# KiCad board bldc_controller.kicad_pcb (continued)
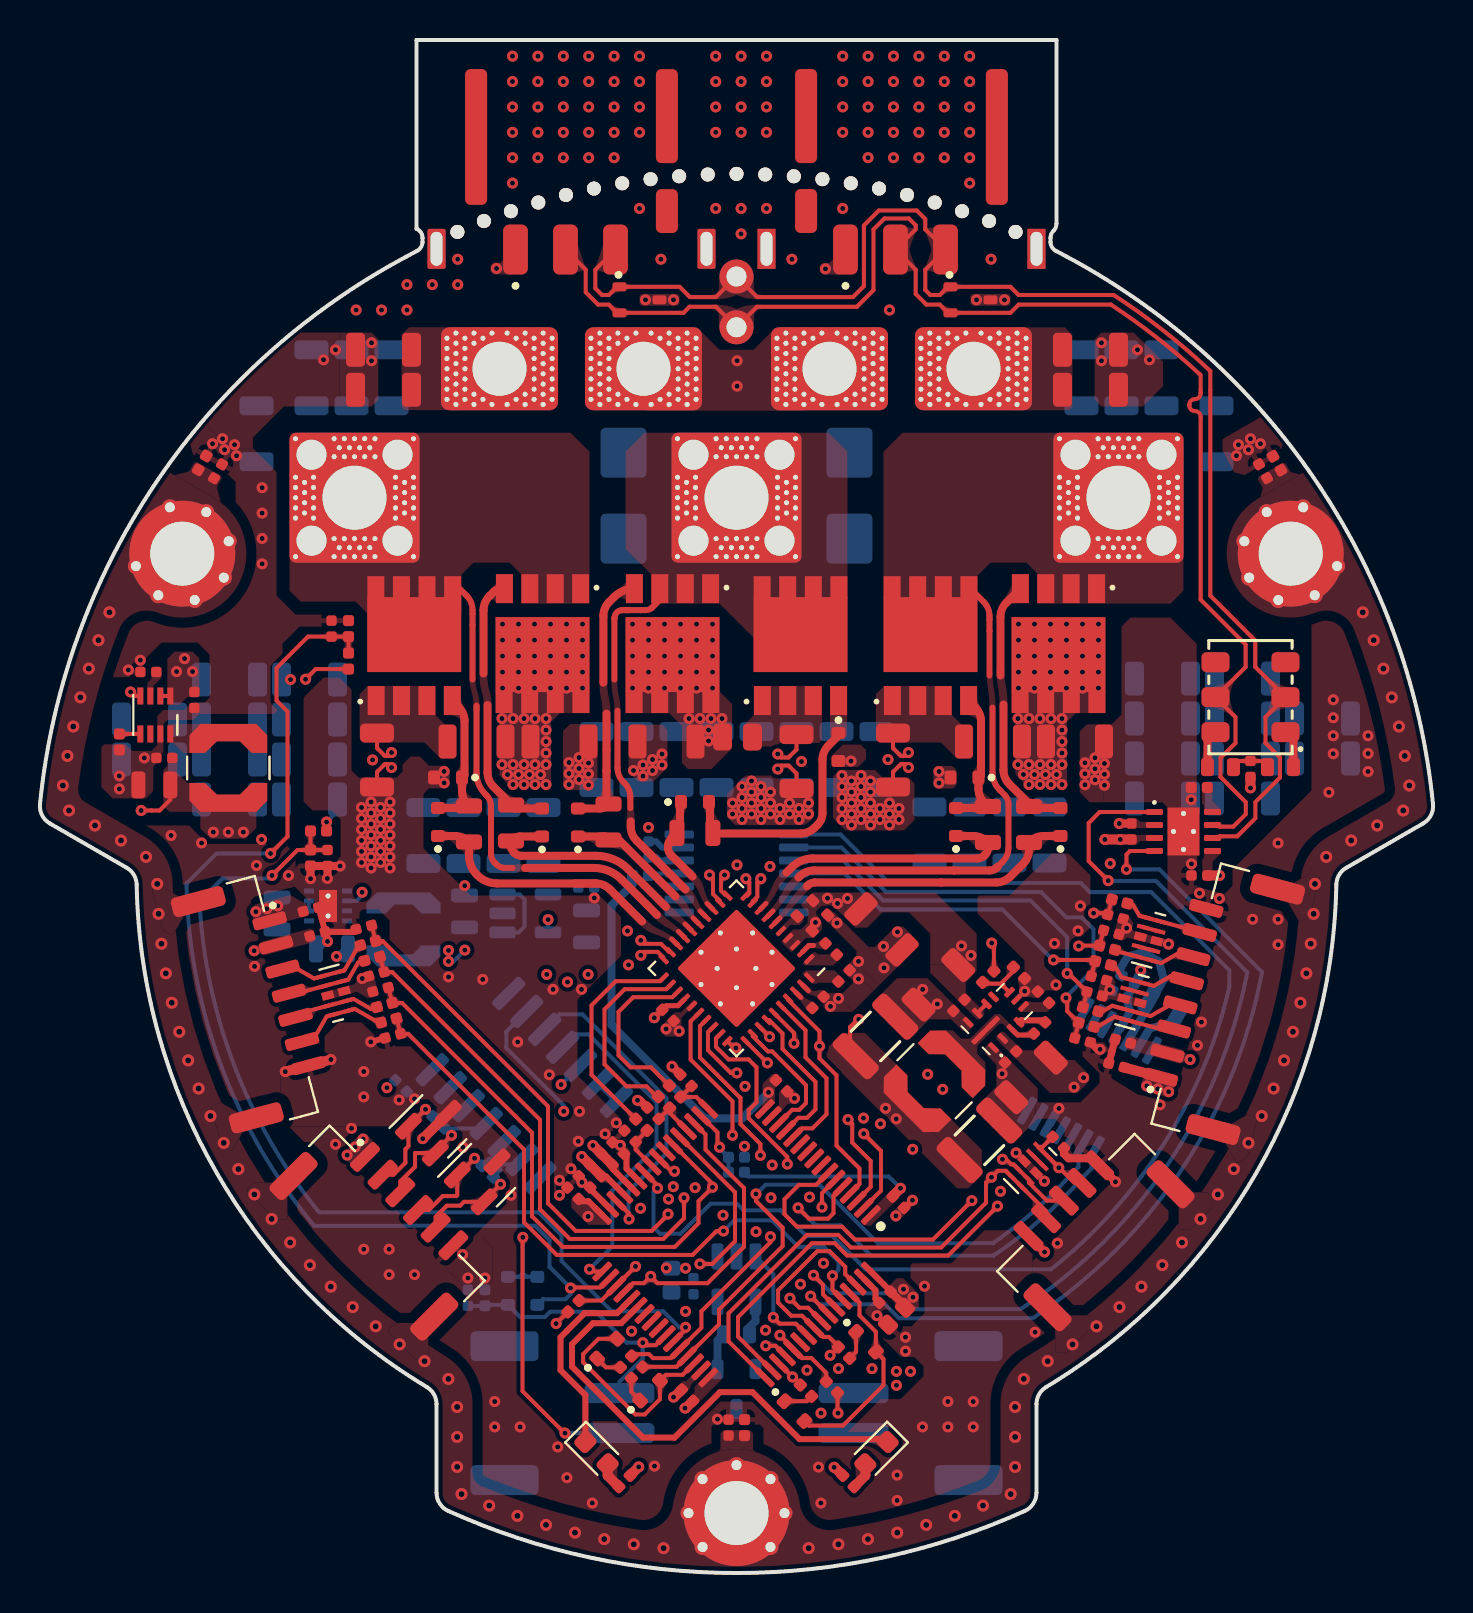
[diagram p0: board, top side]
## Library data of the parts (continued)
U10 = -: Description: Magnetic position sensor, 14-bit, PWM output, I2C Interface, TSSOP-14
U11 = -: Description: Full-Duplex RS-485 Drivers and Receivers, DFN-10
U12 = -: Description: 1/1 Transceiver Half CANbus 8-SOIC
U13 = -: Description: 1.9A HIGH SPEED SINGLE GATE DRIVER

## Footprints (pads in the part's own frame, mm; a bottom-side part is the same pattern mirrored in y, then rotated)
2-5S1A
  rect 0.9x0.9 smd: (-0.6,1.725) (-0.6,0.575) (-0.6,-0.575) (-0.6,-1.725) (0.5,1.725) (0.5,0.575) (0.5,-0.575) (0.5,-1.725) (1.6,1.725) (1.6,0.575) (1.6,-0.575) (1.6,-1.725)
  rect 1.45x0.85 smd: 1(-2.75,1.905) 2(-2.75,0.635) 3(-2.75,-0.635) 4(-2.75,-1.905)
  rect 3.75x4.7 smd: 5(0.55,0)
  rect 1.1x0.85 smd: 5(2.925,-1.92) 6(2.925,-0.64) 7(2.925,0.64) 8(2.925,1.92)
1054301203
  rrect 1.24x2.5 smd: 1(2.8,4.685) 2(0.3,4.685) 3(-2.2,4.685)
  rrect 1.1x2.195 smd: MP1(4.77,2.757)
  rrect 1.1x6.795 smd: MP2(-4.77,-0.948)
  rrect 1.1x4.705 smd: MP3(4.77,-1.992)
1054301203#2
  rrect 1.24x2.5 smd: 1(2.8,4.685) 2(0.3,4.685) 3(-2.2,4.685)
  rrect 1.1x6.795 smd: MP1(4.77,-0.948)
  rrect 1.1x2.195 smd: MP2(-4.77,2.76)
  rrect 1.1x4.705 smd: MP3(-4.77,-1.99)
AMASS_XT60PW-F_1x02_P7.20mm_Horizontal
  round 0.55 hole 0.25: 1(-2.63,-1.53) 1(-2.63,-1.02) 1(-2.63,-0.51) 1(-2.63,0) 1(-2.63,0.51) 1(-2.63,1.02) 1(-2.63,1.53) 1(-2.18,-1.785) 1(-2.18,-1.275) 1(-2.18,-0.765) 1(-2.18,-0.255) 1(-2.18,0.255) 1(-2.18,0.765) 1(-2.18,1.275) 1(-2.18,1.785) 1(-1.73,-1.53) 1(-1.73,-1.02) 1(-1.73,-0.51) 1(-1.73,0) 1(-1.73,0.51) 1(-1.73,1.02) 1(-1.73,1.53) 1(-1.28,-1.785) 1(-1.28,-1.275) 1(-1.28,1.275) 1(-1.28,1.785) 1(-0.83,-1.53) 1(-0.83,1.53) 1(-0.38,-1.785) 1(-0.38,1.785) 1(0.38,-1.785) 1(0.38,1.785) 1(0.83,-1.53) 1(0.83,1.53) 1(1.28,-1.785) 1(1.28,-1.275) 1(1.28,1.275) 1(1.28,1.785) 1(1.73,-1.53) 1(1.73,-1.02) 1(1.73,-0.51) 1(1.73,0) 1(1.73,0.51) 1(1.73,1.02) 1(1.73,1.53) 1(2.18,-1.785) 1(2.18,-1.275) 1(2.18,-0.765) 1(2.18,-0.255) 1(2.18,0.255) 1(2.18,0.765) 1(2.18,1.275) 1(2.18,1.785) 1(2.63,-1.53) 1(2.63,-1.02) 1(2.63,-0.51) 1(2.63,0) 1(2.63,0.51) 1(2.63,1.02) 1(2.63,1.53) 2(-9.83,-1.53) 2(-9.83,-1.02) 2(-9.83,-0.51) 2(-9.83,0) 2(-9.83,0.51) 2(-9.83,1.02) 2(-9.83,1.53) 2(-9.38,-1.785) 2(-9.38,-1.275) 2(-9.38,-0.765) 2(-9.38,-0.255) 2(-9.38,0.255) 2(-9.38,0.765) 2(-9.38,1.275) 2(-9.38,1.785) 2(-8.93,-1.53) 2(-8.93,-1.02) 2(-8.93,-0.51) 2(-8.93,0) 2(-8.93,0.51) 2(-8.93,1.02) 2(-8.93,1.53) 2(-8.48,-1.785) 2(-8.48,-1.275) 2(-8.48,1.275) 2(-8.48,1.785) 2(-8.03,-1.53) 2(-8.03,1.53) 2(-7.58,-1.785) 2(-7.58,1.785) 2(-6.82,-1.785) 2(-6.82,1.785) 2(-6.37,-1.53) 2(-6.37,1.53) 2(-5.92,-1.785) 2(-5.92,-1.275) 2(-5.92,1.275) 2(-5.92,1.785) 2(-5.47,-1.53) 2(-5.47,-1.02) 2(-5.47,-0.51) 2(-5.47,0) 2(-5.47,0.51) 2(-5.47,1.02) 2(-5.47,1.53) 2(-5.02,-1.785) 2(-5.02,-1.275) 2(-5.02,-0.765) 2(-5.02,-0.255) 2(-5.02,0.255) 2(-5.02,0.765) 2(-5.02,1.275) 2(-5.02,1.785) 2(-4.57,-1.53) 2(-4.57,-1.02) 2(-4.57,-0.51) 2(-4.57,0) 2(-4.57,0.51) 2(-4.57,1.02) 2(-4.57,1.53)
  rrect 5.85x4.15 hole 2.7: 1(0,0) 2(-7.2,0)
  rect 0.9x2 hole 0.6x1.7: MP(-10.35,6) MP(3.15,6)
AMASS_XT60PW-M_1x02_P7.20mm_Horizontal
  round 0.55 hole 0.25: 1(-2.63,-1.53) 1(-2.63,-1.02) 1(-2.63,-0.51) 1(-2.63,0) 1(-2.63,0.51) 1(-2.63,1.02) 1(-2.63,1.53) 1(-2.18,-1.785) 1(-2.18,-1.275) 1(-2.18,-0.765) 1(-2.18,-0.255) 1(-2.18,0.255) 1(-2.18,0.765) 1(-2.18,1.275) 1(-2.18,1.785) 1(-1.73,-1.53) 1(-1.73,-1.02) 1(-1.73,-0.51) 1(-1.73,0) 1(-1.73,0.51) 1(-1.73,1.02) 1(-1.73,1.53) 1(-1.28,-1.785) 1(-1.28,-1.275) 1(-1.28,1.275) 1(-1.28,1.785) 1(-0.83,-1.53) 1(-0.83,1.53) 1(-0.38,-1.785) 1(-0.38,1.785) 1(0.38,-1.785) 1(0.38,1.785) 1(0.83,-1.53) 1(0.83,1.53) 1(1.28,-1.785) 1(1.28,-1.275) 1(1.28,1.275) 1(1.28,1.785) 1(1.73,-1.53) 1(1.73,-1.02) 1(1.73,-0.51) 1(1.73,0) 1(1.73,0.51) 1(1.73,1.02) 1(1.73,1.53) 1(2.18,-1.785) 1(2.18,-1.275) 1(2.18,-0.765) 1(2.18,-0.255) 1(2.18,0.255) 1(2.18,0.765) 1(2.18,1.275) 1(2.18,1.785) 1(2.63,-1.53) 1(2.63,-1.02) 1(2.63,-0.51) 1(2.63,0) 1(2.63,0.51) 1(2.63,1.02) 1(2.63,1.53) 2(4.57,-1.53) 2(4.57,-1.02) 2(4.57,-0.51) 2(4.57,0) 2(4.57,0.51) 2(4.57,1.02) 2(4.57,1.53) 2(5.02,-1.785) 2(5.02,-1.275) 2(5.02,-0.765) 2(5.02,-0.255) 2(5.02,0.255) 2(5.02,0.765) 2(5.02,1.275) 2(5.02,1.785) 2(5.47,-1.53) 2(5.47,-1.02) 2(5.47,-0.51) 2(5.47,0) 2(5.47,0.51) 2(5.47,1.02) 2(5.47,1.53) 2(5.92,-1.785) 2(5.92,-1.275) 2(5.92,1.275) 2(5.92,1.785) 2(6.37,-1.53) 2(6.37,1.53) 2(6.82,-1.785) 2(6.82,1.785) 2(7.58,-1.785) 2(7.58,1.785) 2(8.03,-1.53) 2(8.03,1.53) 2(8.48,-1.785) 2(8.48,-1.275) 2(8.48,1.275) 2(8.48,1.785) 2(8.93,-1.53) 2(8.93,-1.02) 2(8.93,-0.51) 2(8.93,0) 2(8.93,0.51) 2(8.93,1.02) 2(8.93,1.53) 2(9.38,-1.785) 2(9.38,-1.275) 2(9.38,-0.765) 2(9.38,-0.255) 2(9.38,0.255) 2(9.38,0.765) 2(9.38,1.275) 2(9.38,1.785) 2(9.83,-1.53) 2(9.83,-1.02) 2(9.83,-0.51) 2(9.83,0) 2(9.83,0.51) 2(9.83,1.02) 2(9.83,1.53)
  rrect 5.85x4.15 hole 2.7: 1(0,0) 2(7.2,0)
  rrect 0.9x2 hole 0.6x1.7: MP(-3.15,6) MP(10.35,6)
C_0402_1005_DensityHigh
  rrect 0.52x0.52 smd: 1(-0.4,0) 2(0.4,0)
C_0402_1005_DensitySpaced
  rrect 0.5x0.6 smd: 1(-0.55,0) 2(0.55,0)
C_0603_1608_DensityHigh
  rrect 0.75x0.9 smd: 1(-0.6,0) 2(0.6,0)
C_0805_2012_DensityHigh
  rrect 0.95x1.35 smd: 1(-0.75,0) 2(0.75,0)
C_0805_2012_DensityHighest
  rrect 0.7x1.35 smd: 1(-0.8,0) 2(0.8,0)
C_1206_3216_DensityHigh
  rrect 0.95x1.7 smd: 1(-1.4,0) 2(1.4,0)
C_1206_3216_DensityHighest
  rrect 0.9x1.7 smd: 1(-1.45,0) 2(1.45,0)
C_1210_3225_DensityHigh
  rrect 0.95x2.6 smd: 1(-1.4,0) 2(1.4,0)
CAS-220A_NDC-L
  rrect 1.4x1 smd: 1(-1.75,1.75) 2(-1.75,0) 3(-1.75,-1.75) 4(1.75,1.75) 5(1.75,0) 6(1.75,-1.75)
D_SMB
  rrect 2.5x2.3 smd: 1(-2.15,0) 2(2.15,0)
D_SOD-523
  rrect 0.6x0.7 smd: 1(-0.7,0) 2(0.7,0)
DFN2510-D10
  rect 0.6x0.2 smd: 1(-0.425,1) 2(-0.425,0.5) 4(-0.425,-0.5) 5(-0.425,-1) 6(0.425,-1) 7(0.425,-0.5) 9(0.425,0.5) 10(0.425,1)
  rect 0.6x0.4 smd: 3(-0.425,0) 8(0.425,0)
DFN-8_2x2mm_P0.5mm
  rect 0.85x0.3 smd: 1(-0.95,0.75) 2(-0.95,0.25) 3(-0.95,-0.25) 4(-0.95,-0.75) 5(0.95,-0.75) 6(0.95,-0.25) 7(0.95,0.25) 8(0.95,0.75)
HVSON-8-1EP_3x3mm_P0.65mm_EP1.6x2.4mm_ThermalVias
  rrect 1.4x1 smd: (0,0.6) (0,-0.6)
  rrect 0.85x0.3 smd: 1(-1.45,0.975) 2(-1.45,0.325) 3(-1.45,-0.325) 4(-1.45,-0.975) 5(1.45,-0.975) 6(1.45,-0.325) 7(1.45,0.325) 8(1.45,0.975)
  round 0.55 hole 0.25: 9(-0.5,0) 9(0,0.9) 9(0,-0.9) 9(0.5,0)
  rect 1.6x2.4 smd: 9(0,0)
JST_GH_SM05B-GHS-TB_1x05-1MP_P1.25mm_Horizontal
  rrect 0.6x1.7 smd: 1(-2.5,1.85) 2(-1.25,1.85) 3(0,1.85) 4(1.25,1.85) 5(2.5,1.85)
  rrect 1x2.7 smd: MP(-4.35,-1.35) MP(4.35,-1.35)
JST_GH_SM06B-GHS-TB_1x06-1MP_P1.25mm_Horizontal
  rrect 0.6x1.7 smd: 1(-3.125,1.85) 2(-1.875,1.85) 3(-0.625,1.85) 4(0.625,1.85) 5(1.875,1.85) 6(3.125,1.85)
  rrect 1x2.7 smd: MP(-4.975,-1.35) MP(4.975,-1.35)
JST_GH_SM07B-GHS-TB_1x07-1MP_P1.25mm_Horizontal
  rrect 0.6x1.7 smd: 1(-3.75,1.85) 2(-2.5,1.85) 3(-1.25,1.85) 4(0,1.85) 5(1.25,1.85) 6(2.5,1.85) 7(3.75,1.85)
  rrect 1x2.7 smd: MP(-5.6,-1.35) MP(5.6,-1.35)
JST_GH_SM08B-GHS-TB_1x08-1MP_P1.25mm_Horizontal
  rrect 0.6x1.7 smd: 1(-4.375,1.85) 2(-3.125,1.85) 3(-1.875,1.85) 4(-0.625,1.85) 5(0.625,1.85) 6(1.875,1.85) 7(3.125,1.85) 8(4.375,1.85)
  rrect 1x2.7 smd: MP(-6.225,-1.35) MP(6.225,-1.35)
JST_PH_S2B-PH-SM4-TB_1x02-1MP_P2.00mm_Horizontal
  rrect 1x3.5 smd: 1(-1,2.85) 2(1,2.85)
  rrect 1.5x3.4 smd: MP(-3.35,-2.9) MP(3.35,-2.9)
L_Coilcraft_LPS3314
  custom 1.05x3.7 smd: 1(-1.55,0) 2(1.55,0)
L_Coilcraft_LPS4018
  custom 1.45x3.89 smd: 1(-1.765,0) 2(1.765,0)
LED_0603_1608Metric
  rrect 0.875x0.95 smd: 1(-0.788,0) 2(0.788,0)
LMR36006FSCQRNXRQ1
  rrect 0.6x0.25 smd: 1(-0.9,1.125) 2(-0.9,0.475) 3(-0.9,-0.175) 4(-0.9,-0.675) 8(0.9,-0.675) 9(0.9,-0.175) 10(0.9,0.475) 11(0.9,1.125)
  rrect 0.25x0.6 smd: 5(-0.5,-1.4) 6(0,-1.4) 7(0.5,-1.4)
  rrect 0.25x0.81 smd: 12(0,1.295) 12(0,0.28)
  rrect 0.25x1.825 smd: 12(0,0.788)
LQFP-64_10x10mm_P0.5mm
  rrect 1.2x0.3 smd: 1(-5.75,3.75) 2(-5.75,3.25) 3(-5.75,2.75) 4(-5.75,2.25) 5(-5.75,1.75) 6(-5.75,1.25) 7(-5.75,0.75) 8(-5.75,0.25) 9(-5.75,-0.25) 10(-5.75,-0.75) 11(-5.75,-1.25) 12(-5.75,-1.75) 13(-5.75,-2.25) 14(-5.75,-2.75) 15(-5.75,-3.25) 16(-5.75,-3.75) 33(5.75,-3.75) 34(5.75,-3.25) 35(5.75,-2.75) 36(5.75,-2.25) 37(5.75,-1.75) 38(5.75,-1.25) 39(5.75,-0.75) 40(5.75,-0.25) 41(5.75,0.25) 42(5.75,0.75) 43(5.75,1.25) 44(5.75,1.75) 45(5.75,2.25) 46(5.75,2.75) 47(5.75,3.25) 48(5.75,3.75)
  rrect 0.3x1.2 smd: 17(-3.75,-5.75) 18(-3.25,-5.75) 19(-2.75,-5.75) 20(-2.25,-5.75) 21(-1.75,-5.75) 22(-1.25,-5.75) 23(-0.75,-5.75) 24(-0.25,-5.75) 25(0.25,-5.75) 26(0.75,-5.75) 27(1.25,-5.75) 28(1.75,-5.75) 29(2.25,-5.75) 30(2.75,-5.75) 31(3.25,-5.75) 32(3.75,-5.75) 49(3.75,5.75) 50(3.25,5.75) 51(2.75,5.75) 52(2.25,5.75) 53(1.75,5.75) 54(1.25,5.75) 55(0.75,5.75) 56(0.25,5.75) 57(-0.25,5.75) 58(-0.75,5.75) 59(-1.25,5.75) 60(-1.75,5.75) 61(-2.25,5.75) 62(-2.75,5.75) 63(-3.25,5.75) 64(-3.75,5.75)
MountingHole_3.2mm_M3_Pad_Via
  round 0.8 hole 0.5: 1(-2.4,0) 1(-1.697,1.697) 1(-1.697,-1.697) 1(0,-2.4) 1(1.697,1.697) 1(1.697,-1.697) 1(2.4,0)
  round 5.3 hole 3.2: 1(0,0)
mousebites_single_0.7mm
  round 0.7 hole 0.7 unplated: (0,0)
NetTie-2_SMD_Pad0.2mm
  round 0.2 smd: 1(-0.2,0) 2(0.2,0)
  rect 0.4x0.2 smd: 1(0,0)
NetTie-2_SMD_Pad0.3mm
  round 0.3 smd: 1(-0.3,0) 2(0.3,0)
  rect 0.6x0.3 smd: 1(0,0)
Pad_Square_Vias_6.5x6.5mm
  round 0.55 hole 0.25: 1(-2.95,2.95) 1(-2.95,1.02) 1(-2.95,0.51) 1(-2.95,0) 1(-2.95,-0.51) 1(-2.95,-1.02) 1(-2.95,-2.95) 1(-2.5,0.765) 1(-2.5,0.255) 1(-2.5,-0.255) 1(-2.5,-0.765) 1(-2.05,1.02) 1(-2.05,0.51) 1(-2.05,0) 1(-2.05,-0.51) 1(-2.05,-1.02) 1(-1.02,2.95) 1(-1.02,2.05) 1(-1.02,-2.05) 1(-1.02,-2.95) 1(-0.765,2.5) 1(-0.765,-2.5) 1(-0.51,2.95) 1(-0.51,2.05) 1(-0.51,-2.05) 1(-0.51,-2.95) 1(-0.255,2.5) 1(-0.255,-2.5) 1(0,2.95) 1(0,2.05) 1(0,-2.05) 1(0,-2.95) 1(0.255,2.5) 1(0.255,-2.5) 1(0.51,2.95) 1(0.51,2.05) 1(0.51,-2.05) 1(0.51,-2.95) 1(0.765,2.5) 1(0.765,-2.5) 1(1.02,2.95) 1(1.02,2.05) 1(1.02,-2.05) 1(1.02,-2.95) 1(2.05,1.02) 1(2.05,0.51) 1(2.05,0) 1(2.05,-0.51) 1(2.05,-1.02) 1(2.5,0.765) 1(2.5,0.255) 1(2.5,-0.255) 1(2.5,-0.765) 1(2.95,2.95) 1(2.95,1.02) 1(2.95,0.51) 1(2.95,0) 1(2.95,-0.51) 1(2.95,-1.02) 1(2.95,-2.95)
  round 2 hole 1.5: 1(-2.15,2.15) 1(-2.15,-2.15) 1(2.15,2.15) 1(2.15,-2.15)
  rrect 6.5x6.5 hole 3.2: 1(0,0)
PTH_1x02_P2.54mm
  round 1.7 hole 1: 1(0,0)
  oval 1.7x1.7 hole 1: 2(0,-2.54)
R_0402_1005_DensityHigh
  rrect 0.55x0.55 smd: 1(-0.4,0) 2(0.4,0)
R_0603_1608_DensityHigh
  rrect 0.65x0.9 smd: 1(-0.65,0) 2(0.65,0)
R_0805_2012_DensityHigh
  rrect 0.75x1.3 smd: 1(-0.9,0) 2(0.9,0)
R_1206_3216_DensityHigh
  rrect 0.95x1.7 smd: 1(-1.35,0) 2(1.35,0)
SOIC-14 5.4mm
  rrect 1.95x0.6 smd: 1(-2.7,3.81) 2(-2.7,2.54) 3(-2.7,1.27) 4(-2.7,0) 5(-2.7,-1.27) 6(-2.7,-2.54) 7(-2.7,-3.81) 8(2.7,-3.81) 9(2.7,-2.54) 10(2.7,-1.27) 11(2.7,0) 12(2.7,1.27) 13(2.7,2.54) 14(2.7,3.81)
SOT-23
  rrect 1.475x0.6 smd: 1(-0.938,0.95) 2(-0.938,-0.95) 3(0.938,0)
SOT-23-3
  rrect 1x0.6 smd: 1(-1,0.95) 2(-1,-0.95) 3(1,0)
SOT-23-5
  rrect 1.325x0.6 smd: 1(-1.137,0.95) 2(-1.137,0) 3(-1.137,-0.95) 4(1.137,-0.95) 5(1.137,0.95)
SOT-323_SC-70
  rrect 0.7x0.45 smd: 1(-1,0.65) 2(-1,-0.65) 3(1,0)
TSOT-23-5
  rrect 1.325x0.6 smd: 1(-1.137,0.95) 2(-1.137,0) 3(-1.137,-0.95) 4(1.137,-0.95) 5(1.137,0.95)
TSSOP-14_4.4x5mm_P0.65mm
  rrect 1.475x0.4 smd: 1(-2.862,1.95) 2(-2.862,1.3) 3(-2.862,0.65) 4(-2.862,0) 5(-2.862,-0.65) 6(-2.862,-1.3) 7(-2.862,-1.95) 8(2.862,-1.95) 9(2.862,-1.3) 10(2.862,-0.65) 11(2.862,0) 12(2.862,0.65) 13(2.862,1.3) 14(2.862,1.95)
TSSOP-14_4.4x5mm_P0.65mm#2
  rrect 1.475x0.4 smd: 1(-2.862,1.95) 2(-2.862,1.3) 3(-2.862,0.65) 4(-2.862,0) 5(-2.862,-0.65) 6(-2.862,-1.3) 7(-2.862,-1.95) 8(2.862,-1.95) 9(2.862,-1.3) 10(2.862,-0.65) 11(2.862,0) 12(2.862,0.65) 13(2.862,1.3) 14(2.862,1.95)
WQFN-40-1EP_6x6mm_P0.5mm_EP4.15x4.15mm_ThermalVias
  rrect 1.15x1.15 smd: (-1.37,1.37) (-1.37,-1.37) (0,1.37) (0,0) (0,-1.37) (1.37,1.37) (1.37,0) (1.37,-1.37)
  rrect 1.17x1.17 smd: (-1.37,0)
  rrect 0.6x0.22 smd: 1(-2.9,2.25) 2(-2.9,1.75) 3(-2.9,1.25) 4(-2.9,0.75) 5(-2.9,0.25) 6(-2.9,-0.25) 7(-2.9,-0.75) 8(-2.9,-1.25) 9(-2.9,-1.75) 10(-2.9,-2.25) 21(2.9,-2.25) 22(2.9,-1.75) 23(2.9,-1.25) 24(2.9,-0.75) 25(2.9,-0.25) 26(2.9,0.25) 27(2.9,0.75) 28(2.9,1.25) 29(2.9,1.75) 30(2.9,2.25)
  rrect 0.22x0.6 smd: 11(-2.25,-2.9) 12(-1.75,-2.9) 13(-1.25,-2.9) 14(-0.75,-2.9) 15(-0.25,-2.9) 16(0.25,-2.9) 17(0.75,-2.9) 18(1.25,-2.9) 19(1.75,-2.9) 20(2.25,-2.9) 31(2.25,2.9) 32(1.75,2.9) 33(1.25,2.9) 34(0.75,2.9) 35(0.25,2.9) 36(-0.25,2.9) 37(-0.75,2.9) 38(-1.25,2.9) 39(-1.75,2.9) 40(-2.25,2.9)
  round 0.55 hole 0.25: 41(-1.825,0.685) 41(-1.825,-0.685) 41(-0.685,1.825) 41(-0.685,0.685) 41(-0.685,-0.685) 41(-0.685,-1.825) 41(0.685,1.825) 41(0.685,0.685) 41(0.685,-0.685) 41(0.685,-1.825) 41(1.825,0.685) 41(1.825,-0.685)
  rect 4.1x4.1 smd far side: 41(0,0)
  rrect 4.2x4.2 smd: 41(0,0)
WSON-8-1EP_2x2mm_P0.5mm_EP0.9x1.6mm_ThermalVias
  rect 0.75x0.65 smd: (0,-0.4) (0,0.4)
  rect 0.5x0.25 smd: 1(-0.95,0.75) 2(-0.95,0.25) 3(-0.95,-0.25) 4(-0.95,-0.75) 5(0.95,-0.75) 6(0.95,-0.25) 7(0.95,0.25) 8(0.95,0.75)
  round 0.6 hole 0.25: 9(0,-0.5) 9(0,0.5)
  rect 0.9x1.6 smd far side: 9(0,0)
  rect 0.9x1.6 smd: 9(0,0)

## Nets
+3V3: C1.1 C2.1 C3.1 C6.1 C7.1 C9.1 C78.1 C97.1 C98.1 C100.1 C101.1 C107.1 C108.1 J6.2 J7.2 J13.1 L3.2 NT3.2 R7.1 R8.1 R18.1 R20.1 R21.1 R26.1 R27.1 U1.1 U1.16 U1.32 U1.48 U1.64 U9.12 U10.11 U11.13 U11.14 U12.5
+5V: C54.1 C62.1 C74.1 C75.1 C102.1 C103.1 C104.1 C105.1 C106.1 J6.1 J7.1 J9.1 L1.2 NT1.2 U4.2 U4.3 U5.1 U5.3 U12.3 U13.5
+12V: C69.1 C73.1 J10.1 L2.2 NT2.2
+A3V3: C4.1 C5.1 C8.1 C10.1 C77.1 C83.1 D12.1 D13.1 NT13.1 TH1.1 U1.28 U1.29 U5.5 U8.24
+VBAT: C14.1 C15.1 C16.1 C17.1 C18.1 C19.1 C20.1 C21.1 C22.1 C23.1 C24.1 C25.1 C26.1 C27.1 C28.1 C29.1 C30.1 C31.1 C32.1 C34.1 C35.1 C36.1 C37.1 C38.1 C39.1 C40.1 C42.1 C43.1 C44.1 C45.1 C46.1 C47.1 C48.1 C49.1 C50.1 C51.1 C52.1 C53.1 C55.1 C56.1 C57.1 C59.1 C60.1 C61.1 C63.1 C64.1 C65.1 C66.1 C67.1 C68.1 C70.1 C71.1 C72.1 C81.1 C82.1 C85.1 C88.1 C89.1 C90.1 C91.1 C92.1 C93.1 J1.2 J2.2 Q1.5 Q1.6 Q1.7 Q1.8 Q3.5 Q3.6 Q3.7 Q3.8 Q5.5 Q5.6 Q5.7 Q5.8 R24.1 U2.1 U2.2 U3.2 U3.9 U3.10 U6.2 U7.2 U8.3 U8.4
/Project Architecture/Motor Control - Top Level/DVDD: C87.1 U8.38
/Project Architecture/Power - Generation/VCC_5V: C33.1 U2.3
/Project Architecture/Power - Generation/VCC_12V: C41.1 U3.5
GND: C1.2 C2.2 C3.2 C4.2 C5.2 C6.2 C7.2 C8.2 C9.2 C10.2 C11.2 C12.2 C13.2 C14.2 C15.2 C16.2 C17.2 C18.2 C19.2 C20.2 C21.2 C22.2 C23.2 C24.2 C25.2 C26.2 C27.2 C28.2 C29.2 C30.2 C31.2 C32.2 C33.2 C34.2 C35.2 C36.2 C37.2 C38.2 C39.2 C40.2 C41.2 C42.2 C43.2 C44.2 C45.2 C46.2 C47.2 C48.2 C49.2 C50.2 C51.2 C52.2 C53.2 C54.2 C55.2 C56.2 C57.2 C59.2 C60.2 C61.2 C62.2 C63.2 C64.2 C65.2 C66.2 C67.2 C68.2 C69.2 C70.2 C71.2 C72.2 C73.2 C74.2 C75.2 C76.2 C77.2 C78.2 C82.2 C83.2 C85.2 C86.2 C87.2 C89.2 C91.2 C93.2 C94.2 C95.2 C96.2 C97.2 C98.2 C99.2 C100.2 C101.2 C102.2 C103.2 C104.2 C105.2 C106.2 C107.2 C108.2 C109.2 C110.2 C111.2 C112.2 C113.2 C114.2 C115.2 C116.2 C117.2 C118.2 C119.2 C120.2 C121.2 C122.2 D1.2 D4.2 D7.2 D14.3 D14.8 D15.3 D15.8 D16.3 D16.8 D21.3 D22.3 D23.3 D24.3 D24.8 D25.3 J1.1 J2.1 J6.8 J7.7 J9.6 J11.1 J12.1 J13.5 NT6.2 NT9.2 NT12.2 Q7.2 R4.2 R6.2 R11.1 R14.1 R17.1 R19.2 R22.2 R23.2 R25.2 R28.2 R47.2 R48.2 R49.2 U1.15 U1.27 U1.31 U1.47 U1.63 U2.7 U3.1 U3.6 U3.11 U4.1 U4.4 U4.5 U4.9 U5.2 U6.1 U7.1 U8.25 U8.39 U8.41 U9.5 U9.13 U10.5 U10.13 U11.6 U11.7 U12.2 U12.9 U13.2
/Project Architecture/Interface - Fan Control/FAN_GATE: Q7.1 R29.2
/Project Architecture/Interface - Fan Control/FAN_OUT: R29.1 U13.4
/Project Architecture/Interface - Fan Control/FAN_SW: J10.2 Q7.3
/Project Architecture/Interface - Fan Control/FAN_~{IN}: U13.1
/Project Architecture/Interface - FD-CAN/FDCAN_N: D22.1 D23.1 J11.3 J12.3 J14.2 SW1.2 U12.6
/Project Architecture/Interface - FD-CAN/FDCAN_P: D22.2 D23.2 J11.2 J12.2 J14.1 SW1.5 U12.7
/Project Architecture/Interface - FD-CAN/FDCAN_RX: U1.58 U12.4
/Project Architecture/Interface - FD-CAN/FDCAN_S: R28.1 U12.8
/Project Architecture/Interface - FD-CAN/FDCAN_TX: U1.59 U12.1
/Project Architecture/Interface - Interconnects/AUX1_A: C117.1 R30.2 U1.19 U1.36 U9.2
/Project Architecture/Interface - Interconnects/AUX1_B: C115.1 R31.2 U1.57 U9.3
/Project Architecture/Interface - Interconnects/AUX1_C: C113.1 R32.2 U1.21 U9.4
/Project Architecture/Interface - Interconnects/AUX1_D: C111.1 R33.2 R39.2 U1.51 U11.2
/Project Architecture/Interface - Interconnects/AUX1_D_K: D17.1 R39.1
/Project Architecture/Interface - Interconnects/AUX1_E: C109.1 R34.2 R41.2 U1.56 U1.62 U11.5
/Project Architecture/Interface - Interconnects/AUX1_E_K: D19.1 R41.1
/Project Architecture/Interface - Interconnects/AUX1_I2C_PULLUP: D17.2 D19.2 U1.61
/Project Architecture/Interface - Interconnects/AUX1P_A: D16.5 D16.6 J6.3 R30.1
/Project Architecture/Interface - Interconnects/AUX1P_B: D16.4 D16.7 J6.4 R31.1
/Project Architecture/Interface - Interconnects/AUX1P_C: D16.1 D16.10 J6.5 R32.1
/Project Architecture/Interface - Interconnects/AUX1P_D: D14.5 D14.6 J6.6 R33.1
/Project Architecture/Interface - Interconnects/AUX1P_E: D14.1 D14.10 J6.7 R34.1
/Project Architecture/Interface - Interconnects/AUX2_A: C116.1 R35.2 U1.6
/Project Architecture/Interface - Interconnects/AUX2_B: C114.1 R36.2 R40.2 U1.5 U1.44 U10.1
/Project Architecture/Interface - Interconnects/AUX2_B_K: D18.1 R40.1
/Project Architecture/Interface - Interconnects/AUX2_C: C112.1 R37.2 R42.2 U1.22 U1.45 U10.2
/Project Architecture/Interface - Interconnects/AUX2_C_K: D20.1 R42.1
/Project Architecture/Interface - Interconnects/AUX2_D: C110.1 R38.2 U1.60
/Project Architecture/Interface - Interconnects/AUX2_I2C_PULLUP: D18.2 D20.2 U1.46
/Project Architecture/Interface - Interconnects/AUX2P_A: D15.5 D15.6 J7.3 R35.1
/Project Architecture/Interface - Interconnects/AUX2P_B: D15.4 D15.7 J7.4 R36.1
/Project Architecture/Interface - Interconnects/AUX2P_C: D15.2 D15.9 J7.5 R37.1
/Project Architecture/Interface - Interconnects/AUX2P_D: D15.1 D15.10 J7.6 R38.1
/Project Architecture/Interface - Interconnects/CAN_TERM_B: R44.2 SW1.4
/Project Architecture/Interface - Interconnects/CAN_TERM_MID: C119.1 R43.2 R44.1
/Project Architecture/Interface - Interconnects/CAN_TERM_T: R43.1 SW1.1
/Project Architecture/Interface - Interconnects/NRST: C118.1 D24.1 D24.10 J13.4 U1.7
/Project Architecture/Interface - Interconnects/NTC_MOT_H: J8.1 NT13.2
/Project Architecture/Interface - Interconnects/NTC_MOT_L: J8.2 NT14.2
/Project Architecture/Interface - Interconnects/POS_SENSOR_CS: U1.26 U9.1
/Project Architecture/Interface - Interconnects/RS422_D+: D21.2 J9.5 R46.2 U11.9
/Project Architecture/Interface - Interconnects/RS422_D-: D21.1 J9.4 R46.1 U11.10
/Project Architecture/Interface - Interconnects/RS422_R+: D25.1 J9.2 R45.1 U11.12
/Project Architecture/Interface - Interconnects/RS422_R-: D25.2 J9.3 R45.2 U11.11
/Project Architecture/Interface - Interconnects/SWCLK: D24.4 D24.7 J13.3 U1.50
/Project Architecture/Interface - Interconnects/SWDIO: D24.5 D24.6 J13.2 U1.49
/Project Architecture/Interface - RS-422/RS422_DE: U1.33 U11.4
/Project Architecture/Interface - RS-422/RS422_~{RE}: U1.30 U11.3
/Project Architecture/MCU - IO/BOARD_VERSION: R18.2 R19.1 U1.18
/Project Architecture/MCU - IO/DRV_CS: U1.24 U8.30
/Project Architecture/MCU - IO/DRV_MISO: R8.2 U1.53 U8.27
/Project Architecture/MCU - IO/DRV_MOSI: U1.2 U8.28
/Project Architecture/MCU - IO/DRV_SCLK: U1.52 U8.29
/Project Architecture/MCU - IO/FAN_CTRL: U1.55 U13.3
/Project Architecture/MCU - IO/FILTER_SOA: C11.1 R1.1 U1.17
/Project Architecture/MCU - IO/FILTER_SOB: C12.1 R2.1 U1.20
/Project Architecture/MCU - IO/FILTER_SOC: C13.1 R3.1 U1.25
/Project Architecture/MCU - IO/LED1: D10.1 U1.37
/Project Architecture/MCU - IO/LED2: D11.1 U1.38
/Project Architecture/MCU - IO/MOTOR_ENABLE: U1.3 U8.31
/Project Architecture/MCU - IO/MOTOR_FAULT: R7.2 U1.35 U8.26
/Project Architecture/MCU - IO/MOTOR_HIZ: U1.4 U8.33 U8.35 U8.37
/Project Architecture/MCU - IO/PC0: U1.8
/Project Architecture/MCU - IO/PC1: U1.9
/Project Architecture/MCU - IO/PC2: U1.10
/Project Architecture/MCU - IO/PC3: U1.11
/Project Architecture/MCU - IO/PC5: U1.23
/Project Architecture/MCU - IO/PC7: U1.39
/Project Architecture/MCU - IO/PC8: U1.40
/Project Architecture/MCU - IO/PC9: U1.41
/Project Architecture/MCU - IO/PC12: U1.54
/Project Architecture/MCU - IO/PWM_PHASEA: U1.14 U8.32
/Project Architecture/MCU - IO/PWM_PHASEB: U1.13 U8.34
/Project Architecture/MCU - IO/PWM_PHASEC: U1.12 U8.36
/Project Architecture/MCU - IO/SENSE_TEMP_FET: C94.1 D12.2 R22.1 TH1.2 U1.34
/Project Architecture/MCU - IO/SENSE_TEMP_MOT: C95.1 D13.2 NT14.1 R23.1 U1.42
/Project Architecture/MCU - IO/SENSE_VBAT: C96.1 R24.2 R25.1 U1.43
/Project Architecture/MCU - IO/SOA: R1.2 U8.23
/Project Architecture/MCU - IO/SOB: R2.2 U8.22
/Project Architecture/MCU - IO/SOC: R3.2 U8.21
/Project Architecture/Motor Control - Top Level/CPH: C84.1 U8.2
/Project Architecture/Motor Control - Top Level/CPL: C84.2 U8.1
/Project Architecture/Motor Control - Top Level/GHA: D2.1 R9.2 U8.6
/Project Architecture/Motor Control - Top Level/GHB: D5.1 R12.1 U8.15
/Project Architecture/Motor Control - Top Level/GHC: D8.1 R15.1 U8.16
/Project Architecture/Motor Control - Top Level/GLA: D3.1 R10.1 U8.8
/Project Architecture/Motor Control - Top Level/GLB: D6.1 R13.1 U8.13
/Project Architecture/Motor Control - Top Level/GLC: D9.1 R16.1 U8.18
/Project Architecture/Motor Control - Top Level/Motor Control - Inverter/FET_GHA: D2.2 Q1.4 R9.1
/Project Architecture/Motor Control - Top Level/Motor Control - Inverter/FET_GHB: D5.2 Q3.4 R12.2
/Project Architecture/Motor Control - Top Level/Motor Control - Inverter/FET_GHC: D8.2 Q5.4 R15.2
/Project Architecture/Motor Control - Top Level/Motor Control - Inverter/FET_GLA: D1.1 D3.2 Q2.4 R10.2
/Project Architecture/Motor Control - Top Level/Motor Control - Inverter/FET_GLB: D4.1 D6.2 Q4.4 R13.2
/Project Architecture/Motor Control - Top Level/Motor Control - Inverter/FET_GLC: D7.1 D9.2 Q6.4 R16.2
/Project Architecture/Motor Control - Top Level/Motor Control - Inverter/PHA: J3.1 NT4.2 Q1.1 Q1.2 Q1.3 Q2.5 Q2.6 Q2.7 Q2.8
/Project Architecture/Motor Control - Top Level/Motor Control - Inverter/PHB: J4.1 NT7.2 Q3.1 Q3.2 Q3.3 Q4.5 Q4.6 Q4.7 Q4.8
/Project Architecture/Motor Control - Top Level/Motor Control - Inverter/PHC: J5.1 NT10.2 Q5.1 Q5.2 Q5.3 Q6.5 Q6.6 Q6.7 Q6.8
/Project Architecture/Motor Control - Top Level/Motor Control - Inverter/SRC_LS_A: C88.2 NT5.1 Q2.1 Q2.2 Q2.3 R11.2
/Project Architecture/Motor Control - Top Level/Motor Control - Inverter/SRC_LS_B: C90.2 NT8.2 Q4.1 Q4.2 Q4.3 R14.2
/Project Architecture/Motor Control - Top Level/Motor Control - Inverter/SRC_LS_C: C92.2 NT11.2 Q6.1 Q6.2 Q6.3 R17.2
/Project Architecture/Motor Control - Top Level/SA_N: NT6.1 U8.10
/Project Architecture/Motor Control - Top Level/SA_P: NT5.2 U8.9
/Project Architecture/Motor Control - Top Level/SB_N: NT9.1 U8.11
/Project Architecture/Motor Control - Top Level/SB_P: NT8.1 U8.12
/Project Architecture/Motor Control - Top Level/SC_N: NT12.1 U8.20
/Project Architecture/Motor Control - Top Level/SC_P: NT11.1 U8.19
/Project Architecture/Motor Control - Top Level/SHA: NT4.1 U8.7
/Project Architecture/Motor Control - Top Level/SHB: NT7.1 U8.14
/Project Architecture/Motor Control - Top Level/SHC: NT10.1 U8.17
/Project Architecture/Motor Control - Top Level/VCP: C81.2 U8.5
/Project Architecture/Motor Control - Top Level/VGLS: C86.1 U8.40
/Project Architecture/Power - Generation/ADJ_A3V3: C76.1 U5.4
/Project Architecture/Power - Generation/BOOT_12V: C58.2 U3.4
/Project Architecture/Power - Generation/FB_5V: NT1.1 U2.4
/Project Architecture/Power - Generation/FB_12V: NT2.1 R5.1
/Project Architecture/Power - Generation/FB_DIV_12V: R5.2 R6.1 U3.7
/Project Architecture/Power - Generation/LX_5V: L1.1 U2.8
/Project Architecture/Power - Generation/MODE_5V: R4.1 U2.5
/Project Architecture/Power - Generation/PG_3V3: U4.8
/Project Architecture/Power - Generation/PG_12V: U3.8
/Project Architecture/Power - Generation/SW_3V3: L3.1 U4.7
/Project Architecture/Power - Generation/SW_12V: C58.1 L2.1 U3.3 U3.12
/Project Architecture/Power - Generation/VOS_3V3: NT3.1 U4.6
/Project Architecture/Power - Generation/~{RST}_5V: U2.6
/Project Architecture/Sensing - Position/COMM_VDD: R26.2 U9.11
/Project Architecture/Sensing - Position/DIS_VDD3V: C99.1 R27.2 U10.12
/Project Architecture/User - LED Indicators/LED1_A: D10.2 R20.2
/Project Architecture/User - LED Indicators/LED2_A: D11.2 R21.2
CHASSIS: C120.1 C121.1 C122.1 H1.1 H2.1 H3.1 J6.MP J7.MP J8.MP J9.MP J10.MP J13.MP R47.1 R48.1 R49.1

Pads without a net: D14 2 4 7 9; D16 2 9; D24 2 9; J1 MP; J2 MP; J11 MP1 MP2 MP3; J12 MP1 MP2 MP3; SW1 3 6; U9 6 7 8 9 10 14; U10 3 4 6 7 8 9 10 14; U11 1 8

## Via types
v1: diameter 0.55, hole 0.25, Top to Bottom, 668 vias
v2: diameter 0.6, hole 0.3, Top to Bottom, 86 vias

## Routing (per net, layer and track width the routed paths; a pad name or vN(x,y) marks a point on that pad's centre or on a via; arc(x,y) is an arc through that point)
+3V3: length 44.1
  Top w0.2: v1(25.81,12.48) R7.1 ; R8.1 39.88,8.02 v1(39.9,8)
  Top w0.3: C9.1 42.54,14.1 41.49,15.14 ; C3.1 27.05,18.6 27.42,18.6 U1.32
  Top w0.4: v1(50.23,16.06) J13.1 ; C9.1 43.25,13.37 C1.1
  Top w0.5: v1(39.71,5.29) 39.74,5.29 R21.1 ; R20.1 v1(29.94,5.31) ; C6.1 32.29,8.25 v1(32.25,8.25) ; v1(58.98,34.9) C101.1 ; C7.1 42.64,18.86 v1(43.03,19.25)
  Bottom w0.2: L3.2 19.15,30.65 19.61,31.11 ; v1(43.03,19.25) 42.44,19.84 35.44,19.84 R18.1 ; v1(20.43,30.6) 20.68,30.6 NT3.2
  Bottom w0.3: U9.12 30.98,35.65 30.83,35.8 C97.1
  Bottom w0.4: R27.1 C98.1 54.51,28.08 54.01,27.22 ; R26.1 29.63,34.45 28.58,33.4 28.58,27.42 33.25,22.75 35.13,22.75 v1(36.43,24.05)
  Bottom w0.5: v1(14.83,30.85) 15.03,30.85 C78.1 ; v1(55.04,30.17) 55.07,30.04 R27.1
  vias: v1(10.71,31.13) v1(17.35,24.28) v1(20.43,31.15) v1(27.41,17.84) v1(43.18,14.2) v1(43.65,13.8) v1(57.51,25.69)
+5V: length 9
  Top w0.2: NT1.2 6.52,38.69 C62.1
  Top w0.5: v1(53.25,36.7) v1(54.02,36.7) C102.1 ; J6.1 54.22,25.29
  Bottom w0.2: U5.3 23.98,33.95 24.23,33.7 24.23,32.35 23.93,32.05 U5.1 ; 13.45,33.13 U4.3
  vias: v1(8.67,37.07) v1(9.42,37.07) v1(10.17,37.07) v1(10.8,33.09) v1(11.34,33.24) v1(11.89,33.38) v1(15.36,20.91) v1(15.76,21.31) v1(16.16,21.71) v1(32.28,13.09) v1(55.34,24.37) v1(55.89,24.22) v1(56.44,24.08)
+12V: length 2.6
  Top w0.2: NT2.2 40.51,26.14 C69.1 40.95,26.02 ; C73.1 46.54,20.1
  vias: v1(42.28,23.25) v1(42.81,22.72) v1(42.83,10.09) v1(42.83,9.39) v1(43.53,10.09)
+A3V3: length 45.2
  Top w0.2: v1(13.28,44.72) 13.79,45.23 TH1.1 ; v1(24.14,16.8) 24.13,16.78 24.13,9.1 26.23,7 v1(26.25,7)
  Top w0.25: 32.22,28.7 31.9,28.39 31.32,28.39 C83.1 v1(30.72,27.78)
  Top w0.3: 29.22,18.92 28.3,19.85 C10.1 ; 29.58,19.28 28.64,20.22 C8.1
  Top w0.5: v1(27.09,20.84) C10.1 ; C8.1 C5.1 27.66,21.39 v1(27.65,21.39)
  In2.Cu w0.2: v1(13.28,44.72) 15.26,44.72 19.36,40.62 19.36,37.08 23.75,32.69 v1(25.41,32.69)
  Bottom w0.2: 24.15,14.82 24.33,14.82 ; 24.15,14.82 24.15,15.09 ; 24.15,14.82 23.83,14.82 ; 24.33,14.82 24.15,15 ; 24.33,14.82 24.87,14.82 D12.1 ; 24.15,15 24.15,15.09 ; 24.15,15 23.97,14.82 23.83,14.82 ; 23.83,14.82 D13.1 ; NT13.1 v1(26.25,7) ; 24.17,16.77 v1(24.14,16.8) 24.15,16.79 24.15,15.09 ; U5.5 25.4,32.69 v1(25.41,32.69)
  vias: v1(25.34,29.95) v1(26.38,29.57) v1(27.41,29.95)
+VBAT: length 2.6
  Top w0.2: v1(14.33,37.58) R24.1 ; 50.72,25.73 50.73,25.72 ; U3.10 U3.9 ; U2.2 U2.1
  Bottom w0.2: 15.03,38.15 14.9,38.15 v1(14.33,37.58)
  vias: v1(6.83,45.1) v1(7.23,45.75) v1(7.63,45.1) v1(23.13,47.48) v1(23.13,46.68) v1(23.13,45.88) v1(23.13,45.08) v1(23.13,44.28) v1(23.1,42.75) v1(23.1,40.45) v1(23.38,39.95) v1(23.65,42.75) v1(23.65,40.45) v1(23.65,39.45) v1(23.93,47.48) v1(23.93,46.68) v1(23.93,45.88) v1(23.93,45.08) v1(23.93,44.28) v1(23.93,39.95) v1(24.2,42.75) v1(24.2,40.45) v1(24.2,39.45) v1(24.48,39.95) v1(24.73,47.48) v1(24.73,46.68) v1(24.73,45.88) v1(24.73,45.08) v1(24.73,44.28) v1(24.75,42.75) v1(24.75,40.45) v1(24.75,39.45) v1(25.03,39.95) v1(25.3,42.75) v1(25.3,42.18) v1(25.3,41.6) v1(25.3,41.03) v1(25.3,40.45) v1(25.3,39.45) v1(25.53,47.48) v1(25.53,46.68) v1(25.53,45.88) v1(25.53,45.08) v1(25.53,44.28) v1(26.33,47.48) v1(26.33,46.68) v1(26.33,45.88) v1(26.33,45.08) v1(26.33,44.28) v1(27.13,47.48) v1(27.13,46.68) v1(27.13,45.88) v1(27.13,45.08) v1(27.13,44.28) v1(29.63,47.48) v1(29.63,46.68) v1(29.63,45.88) v1(29.63,45.08) v1(29.63,44.28) v1(30.43,47.48) v1(30.43,46.68) v1(30.43,45.88) v1(30.43,45.08) v1(30.43,44.28) v1(31.23,47.48) v1(31.23,46.68) v1(31.23,45.88) v1(31.23,45.08) v1(31.23,44.28) v1(32.03,47.48) v1(32.03,46.68) v1(32.03,45.88) v1(32.03,45.08) v1(32.03,44.28) v1(32.45,42.75) v1(32.83,47.48) v1(32.83,46.68) v1(32.83,45.88) v1(32.83,45.08) v1(32.83,44.28) v1(33,42.75) v1(33.43,42.18) v1(33.43,41.63) v1(33.55,42.75) v1(33.63,47.48) v1(33.63,46.68) v1(33.63,45.88) v1(33.63,45.08) v1(33.63,44.28) v1(34.1,42.75) v1(38.78,32.55) v1(39.38,33.76) v1(39.88,33.5) v1(40.38,33.75) v1(46.08,31.38) v1(46.55,30.9) v1(48.93,47.48) v1(48.93,46.68) v1(48.93,45.88) v1(48.93,45.08) v1(48.93,44.28) v1(48.9,42.75) v1(48.9,40.45) v1(49.18,39.95) v1(49.45,42.75) v1(49.45,40.45) v1(49.45,39.45) v1(49.73,47.48) v1(49.73,46.68) v1(49.73,45.88) v1(49.73,45.08) v1(49.73,44.28) v1(49.73,39.95) v1(50,42.75) v1(50,40.45) v1(50,39.45) v1(50.28,39.95) v1(50.53,47.48) v1(50.53,46.68) v1(50.53,45.88) v1(50.53,45.08) v1(50.53,44.28) v1(50.55,42.75) v1(50.55,40.45) v1(50.55,39.45) v1(50.83,39.95) v1(51.1,42.75) v1(51.1,42.18) v1(51.1,41.6) v1(51.1,41.03) v1(51.1,40.45) v1(51.1,39.45) v1(51.33,47.48) v1(51.33,46.68) v1(51.33,45.88) v1(51.33,45.08) v1(51.33,44.28) v1(51.71,24.31) v1(52.13,47.48) v1(52.13,46.68) v1(52.13,45.88) v1(52.13,45.08) v1(52.13,44.28) v1(52.18,24.79) v1(52.93,47.48) v1(52.93,46.68) v1(52.93,45.88) v1(52.93,45.08) v1(52.93,44.28)
